# Allegro board HI3516AREFB VER.D.brd (continued)
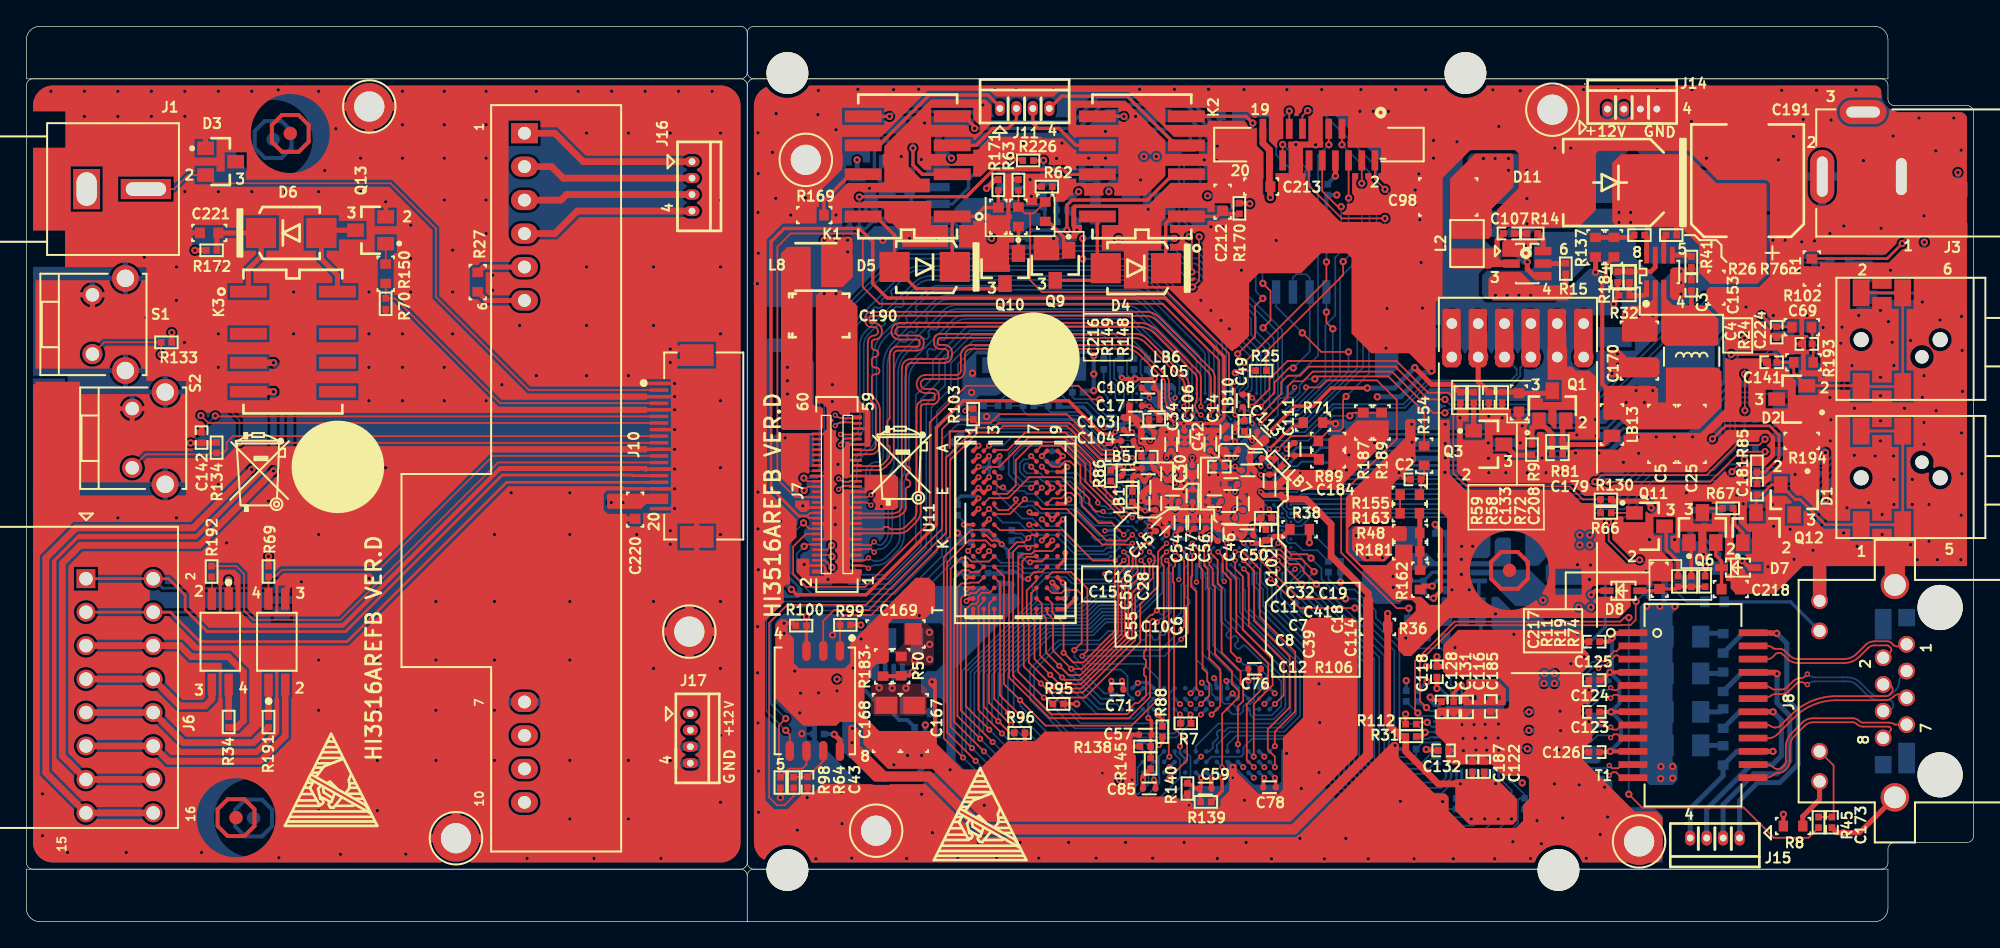
[diagram p0: board, top side]
## Routing (per net, layer and track width the routed paths; a pad name or vN(x,y) marks a point on that pad's centre or on a via; arc(x,y) is an arc through that point) (continued)
MIPI1_D1M: length 44.5
  TOP w0.127: J7.41 63.09,34.58 64.62,34.58 arc(64.81,34.62) 64.97,34.73 65.29,35.05 arc(65.44,35.28) 65.5,35.56 65.5,36.03 65.42,36.11 65.34,36.19 65.34,36.7 65.42,36.78 65.5,36.86 65.5,37.37 65.42,37.45 65.34,37.54 65.34,38.04 65.42,38.13 65.5,38.21 65.5,43.03 arc(65.68,43.48) 66.12,43.66 67.57,43.66 arc(67.72,43.72) 67.78,43.87 67.78,44.02 arc(67.72,44.14) 67.6,44.19 66.22,44.19 arc(65.8,44.37) 65.63,44.79 arc(65.82,45.27) 66.3,45.46 84.39,45.46 arc(85.16,45.31) 85.81,44.87 88.84,41.84 arc(88.88,41.8) 88.92,41.76 arc(89.06,41.55) 89.11,41.3 v2(89.11,39.12)
  BOTTOM w0.127: U8.Y12 v2(89.11,39.12)
MIPI1_D1P: length 44.6
  TOP w0.127: J7.39 63.09,34.28 64.62,34.28 arc(64.92,34.34) 65.18,34.51 65.51,34.84 arc(65.73,35.17) 65.8,35.56 65.8,43.03 arc(65.9,43.26) 66.12,43.35 67.57,43.35 arc(67.93,43.5) 68.08,43.87 68.08,44.02 arc(67.94,44.36) 67.6,44.5 66.22,44.5 arc(66.02,44.58) 65.93,44.79 arc(66.04,45.05) 66.3,45.16 84.39,45.16 arc(85.04,45.03) 85.6,44.66 88.63,41.63 arc(88.76,41.43) 88.81,41.2 88.81,39.79 arc(88.79,39.64) 88.74,39.5 arc(88.69,39.36) 88.68,39.21 arc(88.79,38.78) v2(89.11,38.47)
  BOTTOM w0.127: U8.W12 v2(89.11,38.47)
MIPI1_D2M: length 47
  TOP w0.127: J7.59 62.78,38.28 62.71,38.21 61.94,38.21 arc(61.63,38.27) v2(61.37,38.45)
  BOTTOM w0.127: U8.AA14 90.9,39.61 arc(91,39.77) 91.04,39.95 91.04,43.84 arc(90.96,44.26) 90.72,44.63 90.68,44.66 88.53,46.81 88.53,46.81 86.53,48.81 85.95,49.39 arc(85.52,49.68) 85.01,49.78 67.85,49.78 arc(67.12,49.63) 66.51,49.22 62.66,45.37 62.42,45.13 arc(62.19,44.79) 62.11,44.4 62.11,38.65 arc(62.1,38.54) 62.06,38.43 61.95,38.32 arc(61.87,38.27) 61.78,38.25 arc(61.56,38.31) v2(61.37,38.45)
MIPI1_D2P: length 46.9
  TOP w0.127: v2(61.37,37.65) 61.39,37.67 arc(61.65,37.84) 61.96,37.9 62.66,37.9 62.73,37.83 J7.57
  BOTTOM w0.127: U8.AB14 90.74,43.84 arc(90.67,44.15) 90.5,44.41 85.74,49.17 arc(85.4,49.4) 85.01,49.47 67.85,49.47 arc(67.24,49.35) 66.72,49.01 65.61,47.9 65.61,47.72 65.68,47.66 65.68,47.48 65.49,47.3 65.31,47.3 65.25,47.36 65.07,47.36 64.89,47.18 64.89,47 64.95,46.94 64.95,46.76 64.77,46.58 64.59,46.58 64.53,46.64 64.35,46.64 64.17,46.46 64.17,46.28 64.23,46.22 64.23,46.04 64.05,45.86 63.87,45.86 63.81,45.92 63.63,45.92 62.63,44.92 arc(62.47,44.68) 62.42,44.4 62.42,38.65 arc(62.39,38.46) 62.33,38.29 arc(62.26,38.19) 62.19,38.1 62.18,38.09 arc(62.11,38.03) 62.03,37.98 arc(61.87,37.91) 61.7,37.89 arc(61.62,37.88) 61.55,37.83 v2(61.37,37.65)
MIPI1_D3M: length 46.6
  TOP w0.127: J7.35 62.45,33.43 62.4,33.38 62.18,33.38 arc(61.88,33.44) v2(61.63,33.61)
  BOTTOM w0.127: U8.AA12 89.62,39.63 arc(89.71,39.76) 89.74,39.92 89.74,41.36 89.74,42.72 89.74,42.89 arc(89.66,43.29) 89.44,43.62 85.21,47.85 arc(84.73,48.17) 84.17,48.28 69.28,48.28 arc(68.71,48.17) 68.23,47.85 65,44.62 arc(64.4,43.72) 64.19,42.67 64.19,36.98 arc(64.11,36.56) 63.87,36.2 63.08,35.4 arc(62.79,34.98) 62.69,34.48 62.69,33.65 arc(62.63,33.49) 62.47,33.42 61.99,33.42 arc(61.83,33.45) 61.7,33.54 v2(61.63,33.61)
MIPI1_D3P: length 46.5
  TOP w0.127: J7.33 62.45,33.03 62.4,33.08 62.18,33.08 arc(61.91,33.03) 61.68,32.87 v2(61.63,32.82)
  BOTTOM w0.127: U8.AB12 89.44,41.15 89.44,41.18 89.44,42.89 arc(89.38,43.17) 89.23,43.4 84.99,47.63 arc(84.61,47.89) 84.17,47.98 69.28,47.98 arc(68.83,47.89) 68.44,47.63 68.02,47.21 67.48,46.67 67.48,46.49 67.54,46.43 67.54,46.25 67.36,46.07 67.18,46.07 67.12,46.13 66.94,46.13 66.76,45.95 66.76,45.77 66.82,45.71 66.82,45.53 66.64,45.35 66.46,45.35 66.4,45.41 66.22,45.41 66.04,45.23 66.04,45.05 66.1,44.99 66.1,44.81 65.92,44.63 65.74,44.63 65.68,44.69 65.5,44.69 65.22,44.4 arc(64.69,43.61) 64.5,42.67 64.5,36.98 arc(64.39,36.44) 64.08,35.98 63.29,35.19 arc(63.08,34.87) 63,34.48 63,33.65 arc(62.84,33.27) 62.47,33.12 62.16,33.12 arc(61.94,33.07) 61.76,32.95 v2(61.63,32.82)
MUTE: length 37.5
  TOP w0.127: R66.2 R130.1 118.09,32.05 117.1,33.04 109.28,33.04 108.26,34.06 108.26,39.77 107.88,40.15 106.36,40.15 103.94,42.57 95.69,42.57 94.32,41.19 94.32,40.43 93.01,39.13 v2(93.01,39.12)
  BOTTOM w0.114: U8.Y18 v2(93.01,39.12)
MUTE_R: length 24.3
  TOP w0.203: J4.2 J4.4 J4.3 J4.1 136.49,30.14 134.58,32.05 134.2,32.05 133.11,33.14 D1.2 132.4,33.17 131.64,32.42 C181.1 131.24,32.35 Q12.3
MX1+: length 12.6
  TOP w0.127: J8.1 142.49,20.89 141.97,20.89 arc(141.79,20.92) 141.64,21.02 141.49,21.17 arc(141.37,21.25) 141.23,21.28 140.22,21.28 arc(139.84,21.21) 139.52,20.99 138.87,20.34 arc(138.42,20.04) 137.89,19.94 134.44,19.94 arc(134.08,20.01) 133.78,20.21 133.46,20.53 133.45,20.53 arc(133.38,20.58) 133.32,20.63 arc(133.15,20.69) 132.98,20.71 132.69,20.71 arc(132.65,20.72) 132.6,20.73 arc(132.57,20.74) 132.53,20.75 arc(132.48,20.78) 132.44,20.82 arc(132.32,20.9) 132.17,20.93 T1.23
MX1-: length 12.5
  TOP w0.127: T1.22 132.11,19.93 arc(132.31,19.97) 132.49,20.09 132.7,20.3 arc(132.82,20.38) 132.97,20.41 arc(133.07,20.4) 133.17,20.36 arc(133.24,20.3) 133.31,20.25 133.57,19.99 arc(133.96,19.72) 134.44,19.63 137.89,19.63 arc(138.54,19.76) 139.09,20.13 139.74,20.78 arc(139.96,20.92) 140.22,20.98 141.14,20.98 arc(141.25,20.96) 141.34,20.9 141.46,20.78 arc(141.51,20.65) 141.46,20.52 140.98,20.04 J8.2
MX2+: length 13.7
  TOP w0.127: T1.20 131.75,17.93 arc(132.08,17.88) 132.37,17.73 arc(132.49,17.65) 132.62,17.62 133.15,17.62 arc(133.39,17.67) 133.6,17.81 134.03,18.24 arc(134.31,18.43) 134.65,18.49 arc(134.82,18.53) 134.96,18.62 135.13,18.79 v2(135.13,18.79)
  BOTTOM w0.127: J8.3 142.27,18.64 arc(142.14,18.44) 142.1,18.21 arc(142.03,17.88) 141.84,17.6 141.49,17.25 arc(141.37,17.17) 141.23,17.14 140.52,17.14 arc(140.18,17.21) 139.88,17.41 139.14,18.15 arc(138.7,18.44) 138.19,18.55 137.91,18.55 137.82,18.55 135.72,18.55 arc(135.4,18.61) v2(135.13,18.79)
MX2-: length 12.9
  TOP w0.127: T1.19 131.68,16.93 arc(132.03,16.98) 132.34,17.14 arc(132.48,17.24) 132.65,17.27 133.15,17.27 arc(133.47,17.33) 133.73,17.51 134.24,18.02 arc(134.43,18.14) 134.65,18.19 arc(134.82,18.15) 134.97,18.05 135.03,18 v2(135.13,18)
  BOTTOM w0.127: J8.6 141.19,15.98 arc(141.5,16.11) 141.63,16.42 141.63,16.55 arc(141.6,16.67) 141.52,16.76 arc(141.5,16.77) 141.48,16.78 arc(141.47,16.79) 141.46,16.79 arc(141.36,16.83) 141.26,16.84 140.52,16.84 arc(140.06,16.93) 139.67,17.19 138.92,17.93 arc(138.58,18.16) 138.19,18.24 137.91,18.24 137.82,18.24 135.71,18.24 arc(135.4,18.18) v2(135.13,18)
MX3+: length 12.6
  TOP w0.127: T1.17 132.13,14.93 arc(132.2,14.92) 132.27,14.89 132.34,14.84 arc(132.51,14.76) 132.7,14.74 arc(132.92,14.78) 133.1,14.9 133.9,15.71 arc(135.47,16.75) 137.31,17.12 141.03,17.12 arc(141.23,17.16) 141.4,17.27 141.49,17.35 arc(141.57,17.77) 141.21,18.01 J8.4
MX3-: length 12.8
  TOP w0.127: T1.16 132.16,13.93 arc(132.53,14) 132.84,14.21 134.12,15.49 arc(135.58,16.47) 137.31,16.81 141.03,16.81 arc(141.37,16.88) 141.66,17.07 141.77,17.18 arc(141.92,17.24) 142.07,17.26 arc(142.39,17.18) J8.5
MX4+: length 14.4
  TOP w0.127: J8.7 141.82,14.96 arc(141.76,14.97) 141.7,14.99 arc(141.67,15.01) 141.65,15.03 arc(141.52,15.09) 141.37,15.11 139.36,15.11 arc(139.21,15.14) 139.09,15.22 arc(138.85,15.38) 138.56,15.44 135.55,15.44 arc(135.1,15.35) 134.72,15.1 133.95,14.33 arc(133.61,13.82) 133.49,13.21 133.49,12.18 arc(133.45,11.99) 133.35,11.83 133.25,11.73 arc(133.08,11.62) 132.88,11.58 arc(132.69,11.62) 132.53,11.73 arc(132.31,11.88) 132.04,11.93 T1.14
MX4-: length 14.2
  TOP w0.127: T1.13 132.02,10.93 arc(132.31,10.99) 132.55,11.15 arc(132.69,11.24) 132.86,11.28 132.88,11.28 arc(133.19,11.34) 133.46,11.52 133.56,11.62 arc(133.73,11.88) 133.79,12.18 133.79,13.21 arc(133.89,13.7) 134.17,14.12 134.93,14.88 arc(135.21,15.07) 135.55,15.13 138.56,15.13 arc(138.73,15.1) 138.87,15.01 arc(139.09,14.86) 139.36,14.8 141.26,14.8 arc(141.33,14.8) 141.39,14.77 arc(141.45,14.7) 141.46,14.61 141.46,14.57 arc(141.43,14.51) 141.39,14.45 J8.8
ONE_KEY_RECOVERY: length 23.9
  TOP w0.127: v1(98.82,58.98) J9.9
  BOTTOM w0.127: U8.W20 94.95,38.46 94.95,39.57 95.15,39.76 95.39,39.76 95.61,39.97 95.61,40.58 98,42.97 98,58.17 v1(98.82,58.98)
ONE_KEY_RECOVERY_CON: length 41.3
  TOP w0.127: J10.9 15.68,36.86 15.2,36.37 15.2,35.84 14.94,35.58 R134.1 13.93,35.58 13.82,35.47 9.05,35.47 S2.2
POE_VA1: length 25.5
  TOP w0.381: T1.24 132.38,21.93 132.42,21.89 v1(132.8,21.89)
  BOTTOM w0.381: R93.1 130.23,21.89 v1(132.8,21.89) 133.56,21.13 133.56,16.89 134.42,16.02 134.42,11.96 133.02,10.55 131.35,10.55 129.98,9.19 J15.1
POE_VA1_CON: length 13.6
  TOP w0.508: J16.1 42.25,57.7 40.09,59.86 U1.1
POE_VA2: length 22.5
  TOP w0.381: T1.21 132.71,18.93 v1(132.82,18.82)
  BOTTOM w0.381: J15.2 128.73,8.89 131.07,11.23 132.8,11.23 133.79,12.21 133.79,15.64 132.82,16.61 v1(132.82,18.82) 132.8,18.84 130.11,18.84 R92.1
POE_VA2_CON: length 13.1
  TOP w0.508: U1.2 39.85,57.32 40.72,56.45 J16.2
POE_VB1: length 19
  TOP w0.381: T1.18 v1(132.52,15.93)
  BOTTOM w0.381: R91.1 129.99,15.93 v1(132.52,15.93) 133.15,15.29 133.15,12.59 132.48,11.92 130.86,11.92 127.48,8.54 J15.3
POE_VB1_CON: length 12.9
  TOP w0.508: J16.3 40.98,55.2 40.56,54.78 U1.3
POE_VB2: length 12.3
  TOP w0.381: T1.15 v1(132.52,12.93)
  BOTTOM w0.381: J15.4 126.23,8.57 128.73,11.07 R90.1 129.78,12.93 v1(132.52,12.93)
POE_VB2_CON: length 13.4
  TOP w0.508: J16.4 41.8,53.95 40.09,52.24 U1.4
RGMII_ENSWREG: length 1.9
  BOTTOM w0.127: R115.2 108.1,17.48 U2.38
RGMII_RX_CLK: length 26.2
  BOTTOM w0.127: U8.A21 95.29,25.51 95.18,25.4 95.18,24.65 100.74,19.09 100.74,11.62 103.81,8.55 R35.1
RGMII_RX_DV/PHY_AD2: length 40.9
  BOTTOM w0.127: 93.02,25.6 93.48,25.14 93.48,23.8 ; R119.1 113.67,9.65 112.73,10.59 112.61,10.59 112.1,11.09 U2.13
  BOTTOM w0.13: U8.B18 93.02,26.78 93.02,25.6 ; 93.48,23.8 98.84,18.44 98.84,10.54 103.41,5.97 111.67,5.97 113.16,7.46 113.16,9.22 113.3,9.36 R119.1
RGMII_RXD0/SELRGV: length 38
  BOTTOM w0.127: U2.14 111.7,10.96 112.69,9.97 R107.2 ; 93.34,25.72 93.84,25.22 93.84,23.96
  BOTTOM w0.13: R107.2 112.35,9.37 112.17,9.19 112.17,7.49 111.08,6.4 103.59,6.4 99.22,10.77 99.22,18.57 93.84,23.96 ; U8.A18 93.34,26.15 93.34,25.72
RGMII_RXD1/TXDLY: length 37.5
  BOTTOM w0.127: U2.16 110.9,10.39 111.67,9.61 R108.2 111.3,9.36 111.17,9.23 111.17,7.5 110.5,6.83 103.72,6.83 99.6,10.94 99.6,18.72 94.17,24.15 94.17,25.29 93.67,25.79 93.67,27.39 93.34,27.72 U8.C18
RGMII_RXD2/AN0: length 33.9
  BOTTOM w0.127: U8.A19 93.99,26.15 93.99,25.88 94.5,25.37 94.5,24.31 99.98,18.83 99.98,11.17 103.87,7.29 109.81,7.29 110.13,7.61 110.13,9.24 110.26,9.37 R109.2 110.7,9.42 110.7,9.95 110.5,10.15 U2.17
RGMII_RXD3/AN1: length 31.5
  BOTTOM w0.127: U2.18 110.1,10.24 109.63,9.77 R110.2 109.22,9.36 109.05,9.19 109.05,8.17 108.8,7.92 103.87,7.92 100.36,11.43 100.36,18.96 94.83,24.5 94.83,25.6 94.92,25.69 94.92,26.16 U8.A20
RGMII_TX_CLK: length 22.8
  BOTTOM w0.127: R23.1 101.13,19.38 101.13,11.81 103.21,9.72 107.37,9.72 108.5,10.85 U2.22
RGMII_TX_EN: length 24.9
  TOP w0.127: v2(94.31,27.42) 94.75,27.86 95.11,27.86 95.81,27.15 96.55,27.15 96.88,26.82 96.88,26.62 v1(97.87,25.62)
  BOTTOM w0.127: U8.C19 v2(94.31,27.42) ; v1(97.87,25.62) 98.38,25.12 98.38,24.84 103.03,20.19 103.03,12.8 103.84,11.98 105.8,11.98 106.61,12.8 U2.27
RGMII_TXD0: length 27.4
  BOTTOM w0.127: U2.23 108.1,10.91 107.35,10.16 103.37,10.16 101.51,12.02 101.51,19.68 95.92,25.27 95.92,25.83 96.68,26.59 96.68,27.05 96.3,27.43 95.62,27.43 U8.B21
RGMII_TXD1: length 26.9
  BOTTOM w0.127: U2.24 107.7,10.92 107.35,10.56 103.49,10.56 101.89,12.16 101.89,19.81 96.3,25.4 96.3,25.79 96.97,26.46 96.97,27.36 96.26,28.08 95.62,28.08 U8.C21
RGMII_TXD2: length 24.1
  TOP w0.127: v2(94.96,27.42) 95.46,26.92 v1(96.77,25.61)
  BOTTOM w0.127: U8.C20 v2(94.96,27.42) ; v1(96.77,25.61) 96.77,25.43 102.27,19.94 102.27,12.4 103.44,11.22 106.02,11.22 106.79,12 U2.25
RGMII_TXD3: length 26.6
  TOP w0.127: v1(97.7,26.57) 96.72,27.56 95.82,27.56 95.13,28.24 93.83,28.24 v2(93.66,28.07)
  BOTTOM w0.127: U8.D19 v2(93.66,28.07) ; v1(97.7,26.57) 97.34,26.21 97.34,25.37 102.65,20.06 102.65,12.67 103.72,11.6 105.85,11.6 106.64,12.4 U2.26
RS485_A: length 8.2
  TOP w0.127: J9.15 v1(95.82,61.54)
  BOTTOM w0.127: R196.2 96.38,55.93 R12.1 96.25,56.79 94.83,58.21 94.83,60.55 v1(95.82,61.54)
RS485_A_CON: length 60.8
  TOP w0.203: J10.15 46,33.86 45.96,33.91 36.1,33.91 24.21,22.02 13.72,22.02 12.05,23.69 12.05,24.79 10.8,26.04 J6.2 J6.1
  BOTTOM w0.203: J6.2 10.34,25.32 19.26,25.32 D12.1
RS485_B: length 5.2
  TOP w0.127: v1(95.32,59) J9.16
  BOTTOM w0.127: v1(95.32,59) 97.19,57.13 R12.2 97.19,55.88 R195.2
RS485_B_CON: length 59.2
  TOP w0.203: J6.3 J6.4 10.93,23.5 13.16,21.26 24.34,21.26 36.44,33.36 J10.16
  BOTTOM w0.203: 19.39,23.41 19.31,23.5 J6.4
RXDLY: length 1.8
  TOP w0.127: R112.2 105.6,15.13 v1(106.28,15.13)
  BOTTOM w0.127: v1(106.28,15.13) 106.62,14.8 U2.32
SDIO1_CARD_DETECT: length 62
  BOTTOM w0.127: U8.J20 94.95,31.33 94.95,30.88 95.15,30.68 95.38,30.68 95.61,30.45 95.61,30.21 95.81,30.02 96.73,30.02 97.42,30.7 118.85,30.7 119.77,29.79 120.35,29.79 123.63,33.07 135.85,33.07 137.93,35.15 137.93,41.65 135.1,44.48 J13.12 132.04,44.48 131.17,43.61 R124.1
SDIO1_CARD_POWER_EN: length 32.5
  TOP w0.127: v1(120.05,30.32) 120.05,28.93 121.52,27.45 122.38,27.45 v1(122.4,27.47)
  BOTTOM w0.127: v1(122.4,27.47) 122.54,27.33 R61.2 123.32,27.38 R60.1 ; v1(120.05,30.32) 119.36,31.01 97.26,31.01 96.6,30.35 96.39,30.35 96.08,30.65 95.79,30.65 95.63,30.81 95.63,31.1 95.29,31.44 U8.J21
SDIO1_CCLK_OUT: length 42.4
  BOTTOM w0.127: U8.K22 96.6,32.3 96.76,32.46 120.51,32.46 122.69,34.64 127.85,34.64 129.25,36.05 129.25,39.1 129.95,39.8 131.66,39.8 131.94,40.08 J13.5
SDIO1_CCMD: length 44.2
  BOTTOM w0.127: J13.3 133.19,37.88 132.95,38.12 R127.1 131.16,39.15 130.89,39.42 130.2,39.42 129.65,38.87 129.65,35.89 128.02,34.26 122.89,34.26 120.71,32.08 96.88,32.08 96.79,31.99 95.76,31.99 95.45,32.3 U8.K21
SDIO1_CDATA0: length 45.1
  BOTTOM w0.127: J13.7 132.1,42.28 131.17,41.35 R126.1 131.17,40.46 130.89,40.18 129.69,40.18 128.86,39.35 128.86,36.27 127.64,35.05 122.51,35.05 120.3,32.84 96.61,32.84 96.38,32.61 95.13,32.61 94.81,32.3 U8.K20
SDIO1_CDATA1: length 57
  BOTTOM w0.127: U8.J22 95.99,31.7 120.99,31.7 123.17,33.88 128.33,33.88 129.17,34.72 129.67,34.72 129.93,34.46 136.63,34.46 137.52,35.35 137.52,41.42 135.57,43.38 J13.8 132.21,43.38 R125.1
SDIO1_CDATA2: length 42.1
  TOP w0.127: v1(131.91,35.68) 130.03,35.68 127.74,33.4 v1(120,33.4)
  BOTTOM w0.127: R129.1 131.41,35.68 v1(131.91,35.68) J13.1 ; U8.L19 94.29,33.25 94.75,33.25 94.95,33.45 94.95,33.69 95.19,33.93 96.1,33.93 96.43,33.6 118.32,33.6 118.63,33.91 119.49,33.91 v1(120,33.4)
SDIO1_CDATA3: length 42.3
  TOP w0.127: v1(131.91,36.62) 131.48,36.19 129.78,36.19 127.49,33.91 119.51,33.91 v1(119.01,33.4)
  BOTTOM w0.127: R128.1 131.51,37.02 v1(131.91,36.62) 132.07,36.78 J13.2 ; v1(119.01,33.4) 118.83,33.22 96.46,33.22 96.42,33.26 95.12,33.26 94.95,33.09 94.95,32.81 94.74,32.6 94.29,32.6 U8.K19
SDIO1_CWPR: length 1.2
  TOP w0.127: v2(94.31,31.32) 94.47,31.16 R106.2
  BOTTOM w0.127: U8.J19 94.31,31.32 v2(94.31,31.32)
SDIO1_VOUT: length 47.2
  TOP w0.127: v1(129.41,34.16) v1(130.35,35.1) ; v1(130.39,38.81) 130.39,41.55 v1(130.36,41.58)
  BOTTOM w0.127: v1(130.35,35.1) R129.2 R128.2 R127.2 130.39,38.16 v1(130.39,38.81) ; R125.2 v1(130.36,41.58) R126.2 ; v1(129.41,34.16) 128.72,33.47 123.4,33.47 121.24,31.31 95.8,31.31 95.62,31.5 95.62,31.78 95.42,31.97 93.66,31.97 U8.K18
SENSOR_CLK: length 45.7
  TOP w0.127: J7.18 59.4,29.83 v1(58.96,30.27)
  BOTTOM w0.13: R30.1 81.74,43.23 81.27,43.7 72.04,43.7 70.68,42.34 70.68,40.31 69.07,38.71 69.07,28.05 65.88,24.86 59.6,24.86 58,26.46 58,29.31 v1(58.96,30.27)
SENSOR_RSTN: length 40.3
  TOP w0.127: v1(81.44,39.64) 80.86,39.64 79.81,40.69 71.33,40.69 68.54,37.89 68.54,30.32 63.63,25.42 59.17,25.42 58.31,26.27
  TOP w0.13: 58.31,26.27 58.18,26.41 58.18,28.47 59.14,29.43 J7.16
  BOTTOM w0.13: U8.Y1 v1(81.44,39.64)
SFC_CLK/SFC_BOOT_MODE: length 40.3
  TOP w0.127: v1(57.61,15.41) 57.11,14.91 57.11,11.07 R98.2 57.86,11.62 58.87,11.62 59.19,11.93 U4.6
  BOTTOM w0.127: v1(57.61,15.41) 56.47,16.56 56.47,22.78 57.61,23.92 66.27,23.92 69.78,27.44 69.78,35.9 R21.1
SFC_CSN1: length 35.6
  TOP w0.127: v2(83.91,35.22) 83.2,35.22 83.08,35.1 81.47,35.1 78.95,37.62 74.11,37.62 73.62,37.13 72.17,37.13 70.08,35.04 70.08,29.25 64.12,23.29 62.03,23.29 61.73,22.98 R99.1 U4.1
  BOTTOM w0.127: U8.R3 83.59,35.54 v2(83.91,35.22)
SFC_SDI_IO1: length 36.9
  TOP w0.127: v2(83.26,35.87) 82.85,35.45 81.56,35.45 79.14,37.88 73.78,37.88 73.41,37.51 72.06,37.51 69.78,35.24 69.78,29.53 63.93,23.67 61.3,23.67 60.46,22.83 U4.2
  BOTTOM w0.127: U8.P3 83.38,35.11 83.26,35.22 v2(83.26,35.87)
SFC_SDO_IO0: length 50
  TOP w0.127: v1(57.61,14.52) 57.92,14.22 U4.5
  BOTTOM w0.127: v1(57.61,14.52) 56.14,16 56.14,22.98 57.46,24.3 66.02,24.3 69.47,27.75 69.47,36.58 70.63,37.74 79.5,37.74 82.02,35.22 82.61,35.22 U8.R2
SFC_WP_IO2: length 38.2
  TOP w0.127: R100.2 v1(59.19,23.16)
  TOP w0.254: U4.3 R100.2
  BOTTOM w0.13: U8.P2 82.61,34.57 81.69,34.57 79.11,37.16 71.81,37.16 70.1,35.45 70.1,27.14 66.58,23.62 59.65,23.62 v1(59.19,23.16)
SHUTTER_TRIG: length 66.5
  TOP w0.127: 63.46,50.97 63.46,51.74 62.95,52.24 58,52.24 56.98,51.23 56.98,33.57 58.32,32.23 J7.30
  TOP w0.13: v2(90.41,38.47) 90.51,38.57 90.51,42.62 86.22,46.91 64.73,46.91 63.46,48.18 63.46,50.97
  BOTTOM w0.13: U8.W15 91.06,38.47 v2(90.41,38.47)
SPI0_CLK/I2C0_SCL: length 43.3
  TOP w0.127: v1(61.12,26.89) 60.58,27.43 J7.6
  BOTTOM w0.13: v1(61.12,26.89) 62.39,25.62 65.52,25.62 68.27,28.37 68.27,39.28 69.7,40.71 69.7,42.5 71.72,44.52 81.72,44.52 83.01,43.23 R54.1 82.66,42.74 82.53,42.61 82.53,41.25 82.94,40.84 U8.AB2
SPI0_CSN: length 47.5
  TOP w0.127: v1(61.09,28.57) 60.76,28.23 J7.10
  BOTTOM w0.13: U8.Y3 83.92,39.13 83.92,40.32 84.67,41.07 84.67,41.45 84.54,41.58 84.54,42.61 84.67,42.74 R28.1 85.05,43.05 82.84,45.25 71.42,45.25 68.78,42.61 68.78,41.28 67.48,39.99 67.48,28.67 65.15,26.34 63.33,26.34 v1(61.09,28.57)
SPI0_MISO: length 47.3
  TOP w0.127: J7.12 59.15,28.63 v1(59.01,28.49)
  BOTTOM w0.13: v1(59.01,28.49) 58.45,27.94 58.45,26.62 59.82,25.25 65.69,25.25 68.66,28.21 68.66,39.02 70.14,40.5 70.14,42.4 71.85,44.12 81.49,44.12 82.23,43.38 82.23,41.12 82.62,40.73 82.62,39.76 U8.AA2
SPI0_MOSI/I2C0_SDA: length 45.8
  TOP w0.127: J7.8 61.02,27.83 v1(61.12,27.73)
  BOTTOM w0.13: U8.Y2 83.27,39.13 83.27,40.46 83.62,40.81 83.62,41.39 83.51,41.5 83.51,42.58 83.68,42.74 R55.1 84.03,43.13 82.28,44.88 71.6,44.88 69.25,42.53 69.25,41.02 67.87,39.64 67.87,28.53 65.35,26.01 62.85,26.01 v1(61.12,27.73)
SVB_PWM_MEDIA: length 30.6
  TOP w0.127: v3(97.09,40.56) 98.1,40.56 98.64,41.09 102.47,41.09 103.97,39.59 103.97,36.65 99.75,32.43 99.75,28.01 103.97,23.8 v1(104.88,23.8)
  BOTTOM w0.127: U8.AA22 96.25,39.45 97.09,40.28 v3(97.09,40.56) ; v1(104.88,23.8) R152.1
SVB_PWM_VDD_DDR_CPU: length 15.6
  TOP w0.127: R154.2 106.05,38.68 103.33,41.4 97.96,41.4 v1(97.76,41.2)
  BOTTOM w0.127: U8.AA21 95.5,39.45 95.84,39.79 96.22,39.79 96.6,40.18 96.6,40.72 97.09,41.2 v1(97.76,41.2)
SYS_RSTN_OUT: length 57.2
  TOP w0.127: v2(82.61,35.87) 82.55,35.81 81.65,35.81 78.93,38.53 73.82,38.53 73.16,37.87 72.09,37.87 R103.1 70.21,38.12 69.48,37.38 69.48,29.82 63.71,24.05 57.74,24.05 56.35,22.66 56.35,9.43 56.95,8.84 57.51,8.84 58.22,9.55 R64.2
  BOTTOM w0.102: v2(82.61,35.87) 82.61,36.3 82.63,36.32 82.63,36.32 82.81,36.5 82.82,36.5 82.86,36.54 83.89,36.54 U8.T4
UART0_RX_CON: length 44.3
  TOP w0.127: v1(13.24,38.43) 13.81,37.86 J10.7
  BOTTOM w0.127: J12.3 6.08,36.77 6.81,37.51 12.33,37.51 v1(13.24,38.43)
UART0_RXD: length 26.2
  TOP w0.127: v1(99.82,58.98) J9.7
  BOTTOM w0.127: U8.W21 95.59,38.45 96.55,38.45 99.68,41.58 99.68,48.92 101.91,51.15 101.91,56.89 v1(99.82,58.98)
UART0_TX_CON: length 44.6
  TOP w0.127: J10.6 14.38,38.36 v1(14.33,38.4)
  BOTTOM w0.127: J12.2 5.71,35.52 7.2,37 12.94,37 v1(14.33,38.4)
UART0_TXD: length 21.5
  TOP w0.127: v1(100.32,54.94) J9.6
  BOTTOM w0.127: v1(100.32,54.94) 100.32,51.44 99.31,50.43 99.31,46.03 98.56,45.28 98.56,41.3 96.38,39.11 95.79,39.11 95.47,38.8 U8.Y21
UART1_RTSN: length 14.5
  TOP w0.127: v2(93.66,39.12) 94.7,40.16 94.7,40.94 95.79,42.03 v1(96.12,42.03)
  BOTTOM w0.114: U8.Y19 v2(93.66,39.12)
  BOTTOM w0.127: U5.3 96.1,48.89 96.35,49.15 97.11,49.15 97.37,48.89 U5.2 97.37,43.28 v1(96.12,42.03)
UART1_RXD: length 10.8
  TOP w0.127: v1(98.64,46.27) 98.64,45.49 v1(99.12,45)
  BOTTOM w0.127: U5.1 v1(98.64,46.27) ; U8.Y22 96.46,38.8 99.12,41.45 v1(99.12,45)
UART1_TXD: length 15.4
  TOP w0.127: v1(96.81,44.7) 98.25,43.25 v1(100.31,43.25)
  BOTTOM w0.127: v1(96.81,44.7) 94.83,46.68 U5.4 ; U8.W22 96.68,38.15 100.31,41.78 v1(100.31,43.25)
USB_DM: length 21.4
  BOTTOM w0.127: 97.02,37.19 96.99,37.16 95.6,37.16 U8.U21
  BOTTOM w0.14: J2.4 113.08,41.94 113.08,41.53 112.62,41.08 106.27,41.08 104.47,39.28 99.11,39.28 97.02,37.19
USB_DP: length 21.1
  BOTTOM w0.127: U8.U22 97.02,36.85
  BOTTOM w0.14: 97.02,36.85 97.06,36.85 99.22,39.01 104.58,39.01 106.38,40.81 112.73,40.81 113.34,41.42 113.34,42.05 J2.3
USB_PWREN: length 18.8
  TOP w0.254: v1(101.73,40.51) 98.99,40.51 97.62,39.14 96.28,39.14 v2(94.31,37.17)
  TOP w0.381: R58.1 R59.2 108.72,40.2 108.14,40.79 106.61,40.79 v1(105.34,42.06)
  BOTTOM w0.203: U8.V19 v2(94.31,37.17)
  BOTTOM w0.381: v1(105.34,42.06) 103.79,40.51 v1(101.73,40.51)
USB_REXT: length 9.2
  TOP w0.127: v1(100.41,38.4) 100.64,38.63 R187.2 R189.2
  BOTTOM w0.127: U8.U20 94.97,36.52 97.27,36.52 99.15,38.4 v1(100.41,38.4)
VDAC_CVBS: length 28.7
  TOP w0.127: v1(100.13,39.87) 99.91,39.65 99.91,37.51 99.65,37.26 98.79,37.26 R89.2 97.65,36.88 95.97,36.88 v2(94.96,35.87) ; v1(103.08,55.6) 102.32,56.36 J9.2
  BOTTOM w0.102: U8.T20 v2(94.96,35.87)
  BOTTOM w0.127: v1(103.08,55.6) 103.59,55.09 103.59,50.77 101.86,49.04 101.86,41.6 v1(100.13,39.87)
VDAC_CVBS_CON: length 49.2
  TOP w0.127: J10.2 38.12,40.36 31.07,47.41 31.07,52.62 27.63,56.05 14.22,56.05 D3.2 12.27,56.68 11.2,55.61 J1.1
VDAC_IREF: length 3.9
  TOP w0.203: v2(94.31,35.87) 94.6,36.16 94.6,36.16 96.08,37.64 96.63,37.64 R71.2
  BOTTOM w0.254: U8.T19 v2(94.31,35.87)
VI_POWER_SENSOR: length 86.6
  TOP w0.127: J7.24 59.47,31.03 59.23,30.79 59.39,30.63 J7.22
  TOP w0.203: 56.5,39.26 56.5,32.91 58.62,30.79 59.23,30.79
  TOP w0.254: v2(87.16,37.82) 86.57,38.41 86.57,38.5 85.96,39.11 85.96,40.14 C108.1 85.61,40.57 v3(85.61,41.23) 85.15,41.23 85.13,41.21 v1(84.13,41.21) ; v2(89.11,37.82) 90.41,37.82 90.86,38.27 90.86,42.9 86.42,47.34 65.31,47.34 64.22,48.43 64.22,51.61 63.2,52.62 57.49,52.62 56.5,51.63 56.5,39.26
  TOP w0.305: v2(87.81,37.82) 89.11,37.82 v2(89.11,37.82) ; v2(87.81,37.82) v2(87.16,37.82) ; v2(87.81,37.82) 87.81,37.33 C106.1 ; v3(83.12,41.3) 83.21,41.21 v1(84.13,41.21)
  BOTTOM w0.152: v2(87.81,37.82) 88.46,37.82 U8.V11
  BOTTOM w0.203: U8.V11 88.79,37.5 v2(89.11,37.82) U8.V12
  BOTTOM w0.254: v2(87.16,37.82) U8.V8 86.69,37.64 85.68,37.64 U8.V6 ; R55.2 84.03,41.31 v1(84.13,41.21)
  BOTTOM w0.305: v3(85.61,41.23) 85.05,41.78 R28.2 ; v3(83.12,41.3) 83.07,41.3 83.01,41.35 R54.2
WPS: length 22.5
  TOP w0.127: v1(98.64,50.08) 98.64,48.69 v1(92.41,42.46) ; v1(99.75,54.28) 99.5,54.28 98.32,55.46 J9.10
  BOTTOM w0.114: U8.AA17 92.36,39.77
  BOTTOM w0.127: v1(92.41,42.46) 92.69,42.19 92.69,40.61 92.36,40.28 92.36,39.77 ; v1(98.64,50.08) 98.64,50.67 99.75,51.79 v1(99.75,54.28)
WPS_CON: length 48.1
  TOP w0.127: S1.2 5.91,43.98 R133.1 v1(10.22,43.05) ; J10.10 v1(16.16,36.36)
  BOTTOM w0.127: v1(10.22,43.05) 11.18,43.05 16.16,38.07 v1(16.16,36.36)
$5N57: length 1.6
  TOP w0.356: R76.2 124.23,51.96 U6.6
$5N172: length 2.6
  BOTTOM w0.203: C174.1 108.61,29.48 R2.2 107.71,27.88 U17.4
$5N179: length 3.1
  BOTTOM w0.254: C175.1 104.95,25.85 R3.2 106.67,26.52 U17.2
$5N281: length 2.7
  BOTTOM w0.305: U18.2 65.81,15.72 66.23,15.31 66.84,15.31 R4.2
$5N289: length 2.9
  BOTTOM w0.305: R5.2 C177.1 63.66,17.52 64.51,16.67 U18.4
$5N319: length 2.9
  BOTTOM w0.254: R153.1 106.46,22.81 R152.2 106.32,22.87 C1.1
$5N325: length 2.4
  TOP w0.127: R155.2 105.82,32.53 C2.1 106.05,33.8 R154.1
$5N360: length 1.6
  BOTTOM w0.254: R160.2 110.2,24.4 U17.8
$5N362: length 3.8
  BOTTOM w0.254: R161.2 R160.1 110.36,22.76 R47.2 R180.1
$5N366: length 1.3
  BOTTOM w0.254: R161.1 R153.2
$5N371: length 2.2
  TOP w0.381: v1(106.66,25.47) 106,25.47 R162.1
  BOTTOM w0.254: v1(106.66,25.47) 106.66,25.52 107.01,25.87 U17.1
$5N373: length 4.3
  TOP w0.381: R163.1 105.72,30.98 R48.1 R181.1 105.72,26.72 R162.2
$5N376: length 1.4
  TOP w0.127: R155.1 R163.2
$5N384: length 3.1
  TOP w0.305: R183.1 66.35,18.64 R50.2 66.96,18.67 v1(67.24,18.95)
  BOTTOM w0.305: U18.8 v1(67.24,18.95)
$5N390: length 4.3
  BOTTOM w0.305: R49.1 68.99,15.59 R182.1 68.69,15.9 66.73,15.9 66.46,16.17 U18.1
$5N399: length 4.8
  BOTTOM w0.635: J3.2 136.25,54.22 ; J3.2 137.5,56.56 ; J3.2 135.01,56.56
$5N494: length 1.6
  TOP w0.356: R26.1 122.93,51.97 U6.8
$5N498: length 1.4
  TOP w0.356: C3.2 126.32,46.53
$5N501: length 1
  TOP w0.356: R41.2 C3.1
$5N503: length 1.5
  TOP w0.356: U6.5 126.22,50.6 R41.1
$5N521: length 2.7
  TOP w0.356: U6.1 122.93,47.74 122.74,47.54 R32.1 121.62,47.57 R24.2
$5N524: length 3.9
  TOP w0.356: U6.7 123.58,49.68 123.25,49.35 R24.1 C4.1
